# Altium PCB Driver.PcbDoc (part 1 of 2)
Units mm, origin at the board's own origin, x right, y up, seen from the top; angles counter-clockwise.
Board outline 245.25 x 200.25 mm, 2 copper layers (Top Layer, Bottom Layer), stack 1.371 mm thick; 666 components, 213 nets, 1628 pads, 0 vias.
Unrouted connection lines stored in the file: 1374.
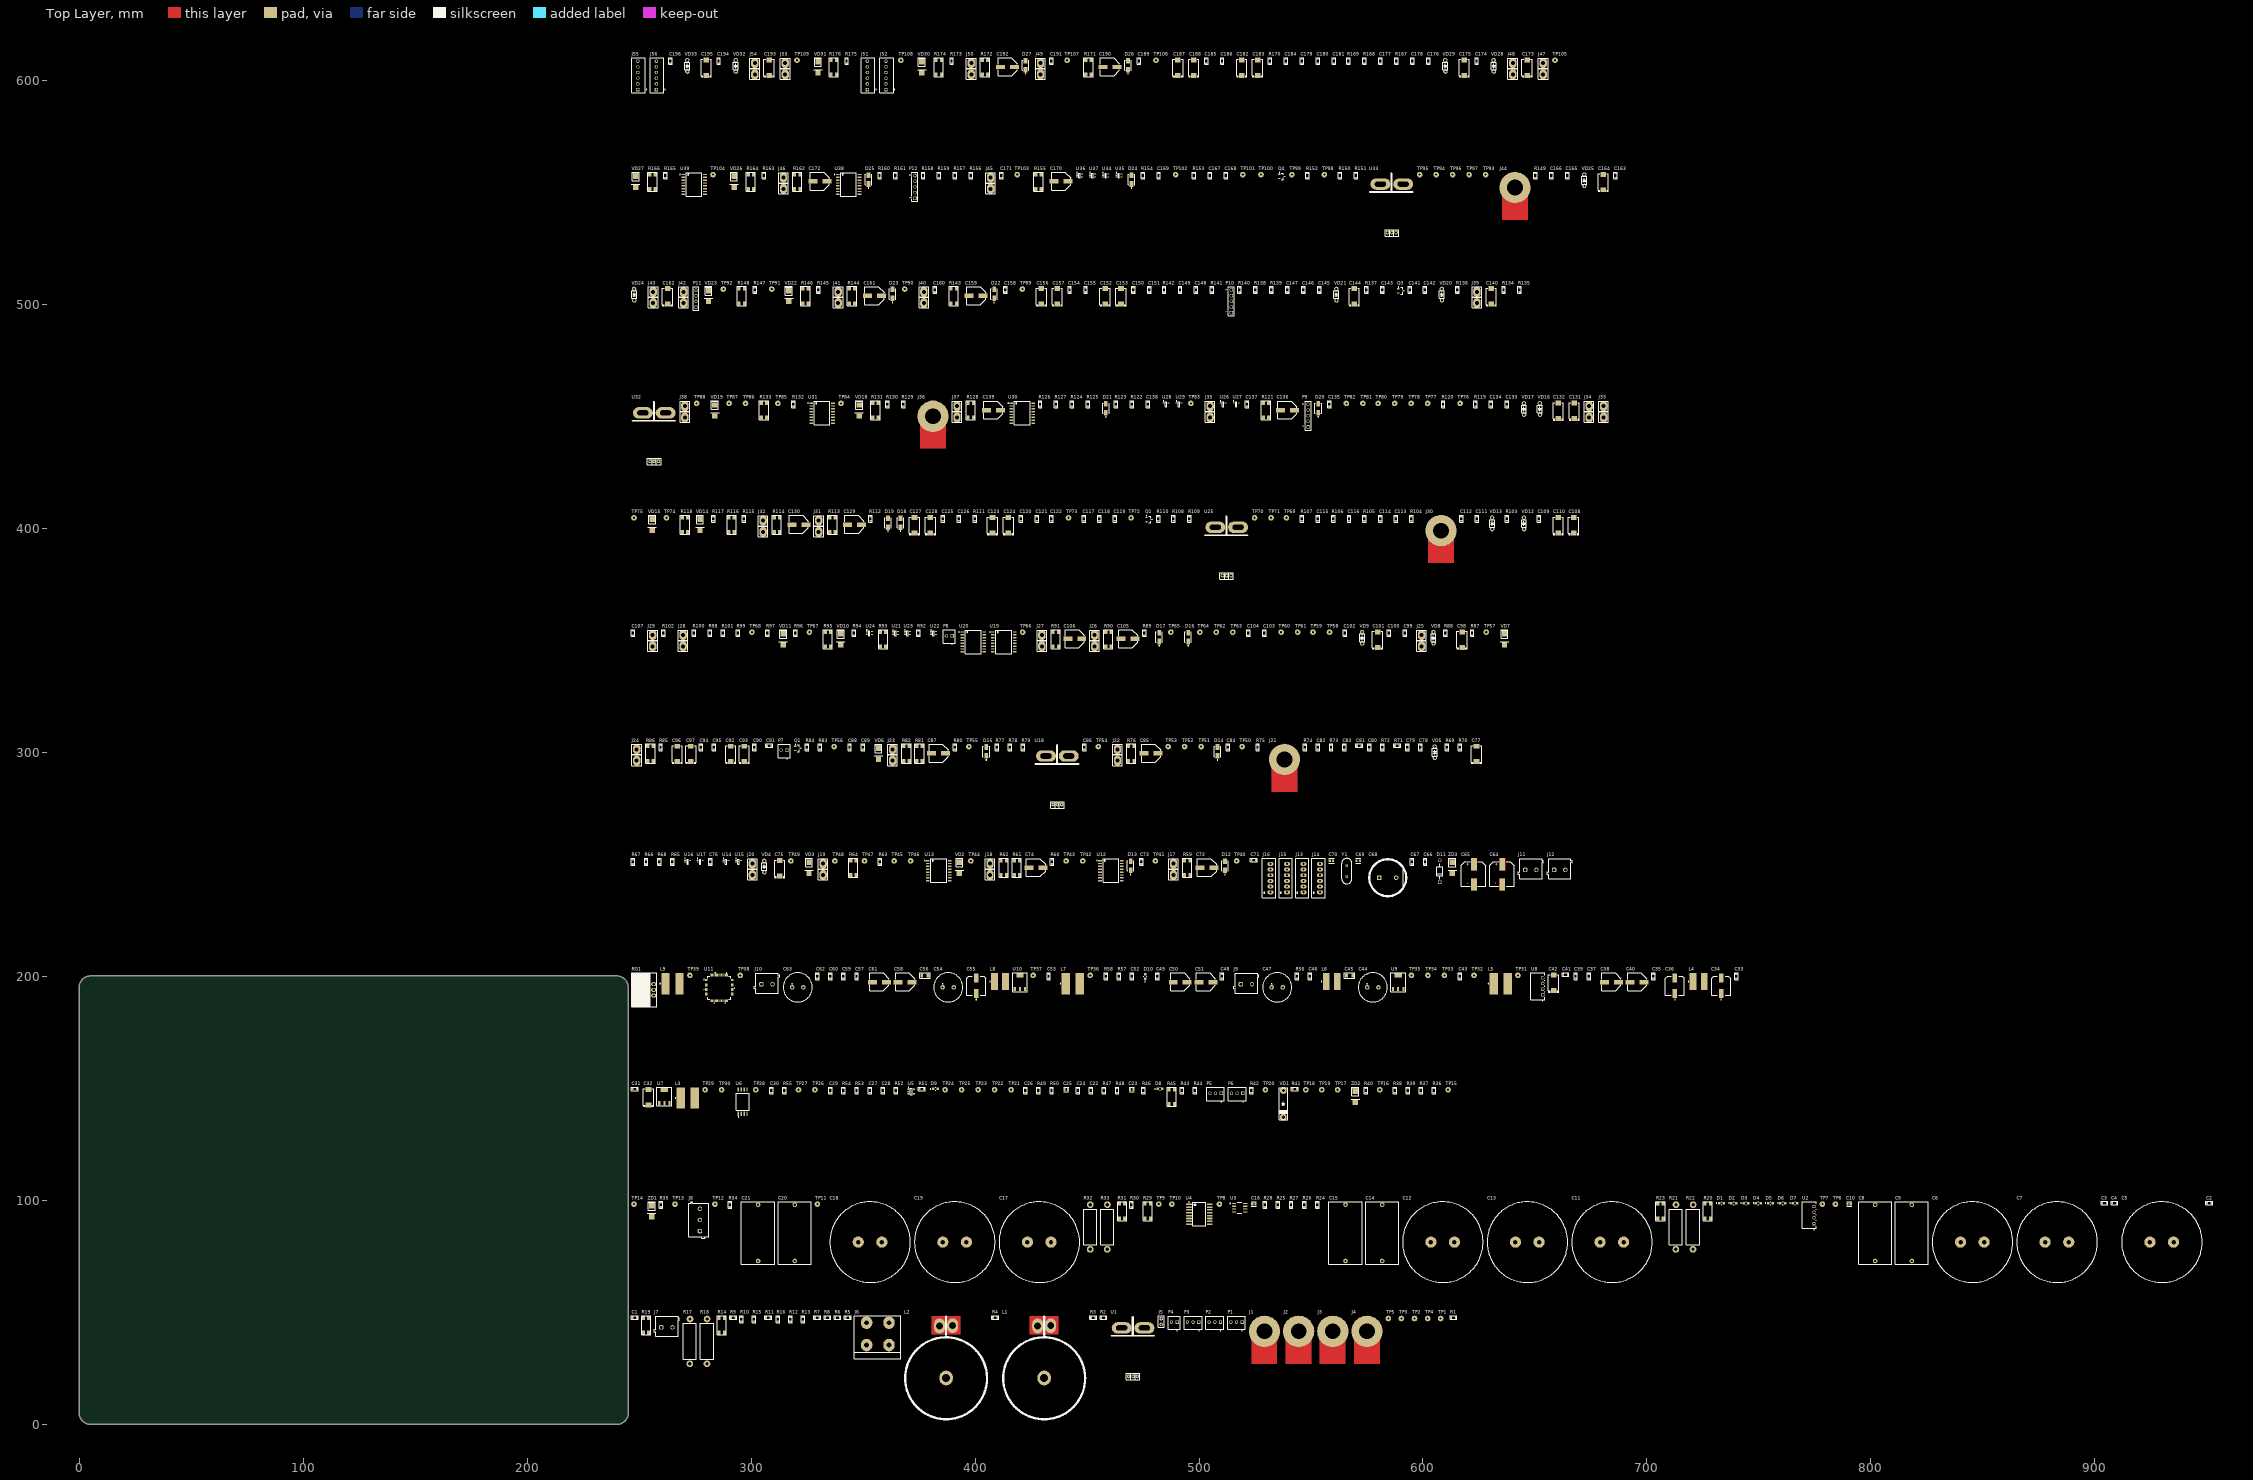
[diagram p0: Top Layer view]
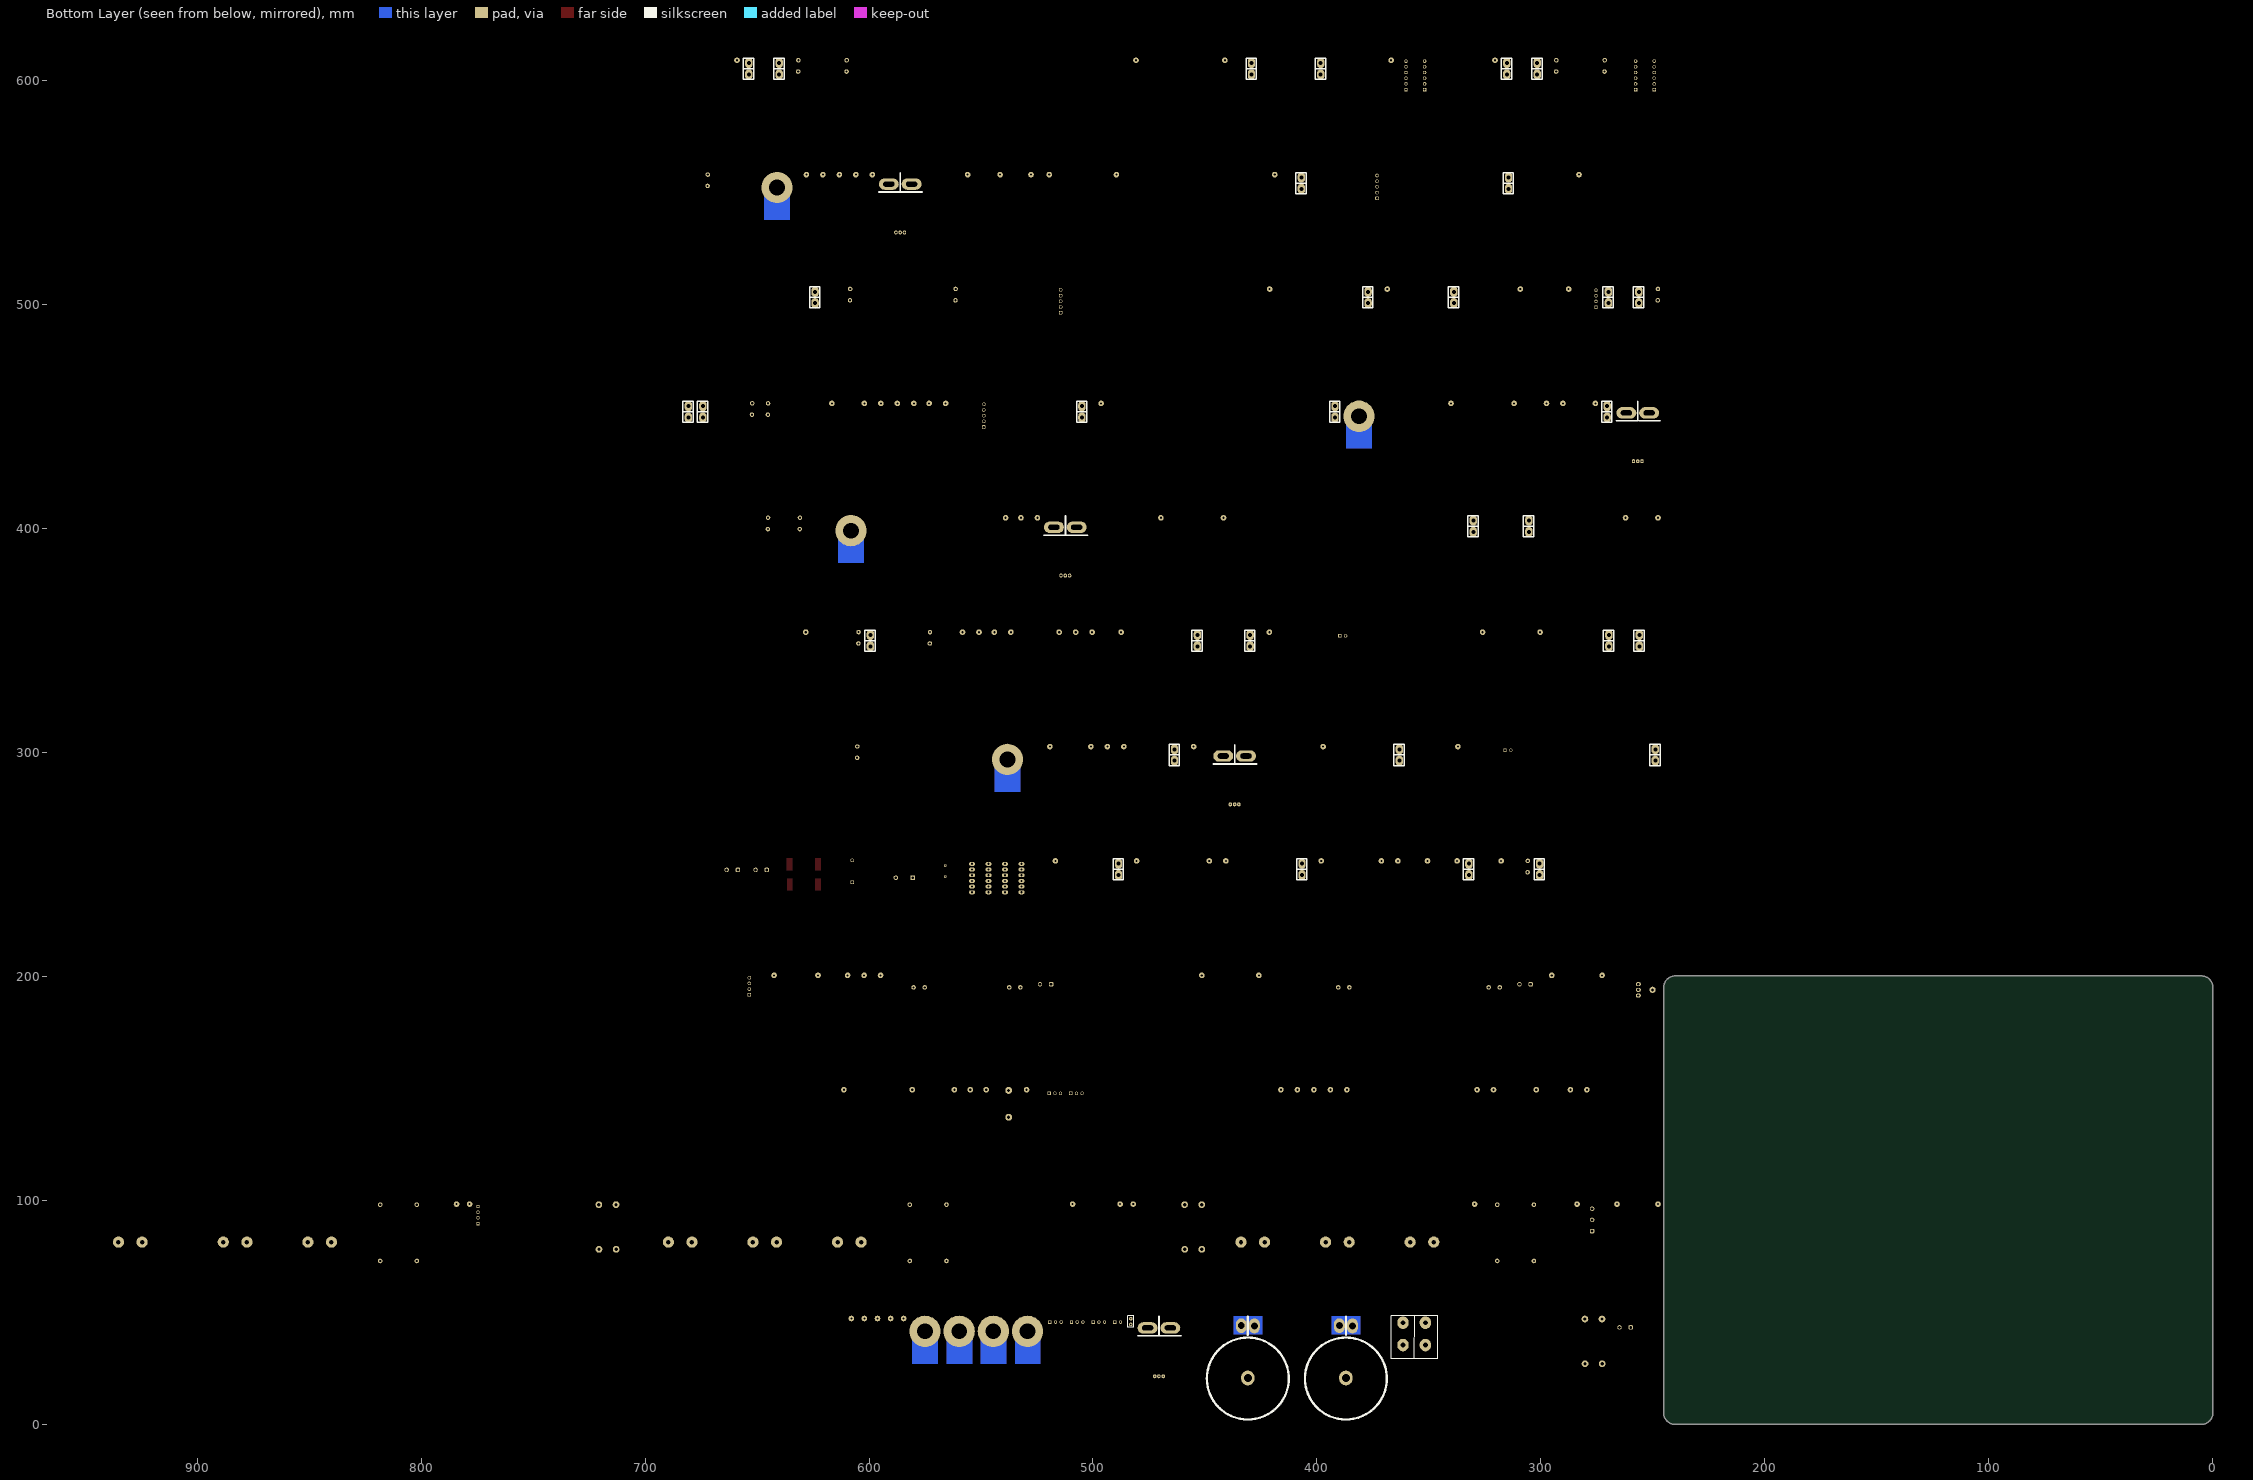
[diagram p1: Bottom Layer view, seen from below]

## Layer stack, top to bottom
Top Solder: solder mask 0.0102, Solder Resist, Dk 3.5
Top Layer: signal copper 0.0356
Dielectric 1: dielectric 1.3, FR-4, Dk 4.8
Bottom Layer: signal copper 0.0356
Bottom Solder: solder mask 0.0102, Solder Resist, Dk 3.5

## Board outline
-0.127,4.914 -0.127,4.968 cw(c5.003,5) -0.127,5 cw(c0,5) -0.127,5.005 -0.127,194.914 cw(c0,194.914) -0.12,194.957 cw(c0,195) -0.127,195 cw(c5,195) 5,200.127 cw(c5,200) 5.003,200.127 240.026,200.127 cw(c240.027,200) 240.027,200.127 cw(c240,195) 245.126,195.136 cw(c245,195.115) 245.127,195.115 245.127,5.115 cw(c245,5.115) 245.114,5.057 cw(c245,5) 245.127,5 cw(c240,5) 240,-0.127 cw(c240,0) 239.998,-0.127 5,-0.127 cw(c5,5) -0.126,4.899 cw(c0,4.914)

## Design rules (kind name [scope] priority, off if disabled: settings)
Clearance HV [InNetClass('All Nets') vs InNetClass('HV')] p1: gap=0.2 ignorepadtopadclearanceinfootprint=TRUE except(0: Text-Text Text-Hole; 0.4: THPad-THPad THPad-Via THPad-Fill THPad-Poly THPad-Region THPad-Text THPad-Hole Via-Via Via-Fill Via-Poly Via-Region Via-Text Via-Hole; 0.5: SMDPad-SMDPad SMDPad-THPad SMDPad-Via SMDPad-Fill SMDPad-Poly SMDPad-Region SMDPad-Text SMDPad-Hole Fill-Fill Fill-Poly Fill-Region Fill-Text Fill-Hole Poly-Poly Poly-Region Poly-Text Poly-Hole Region-Region Region-Text Region-Hole)
Clearance Clearance_1 [All] p2: gap=0.18 ignorepadtopadclearanceinfootprint=TRUE
Clearance GND [InNet('GND')] p3: gap=0.4 ignorepadtopadclearanceinfootprint=TRUE except(0.3: Text-Text Text-Hole)
ComponentClearance [All] p1: gap=-2.254 collisioncheckmode=3 verticalgap=0.254 showdistances=FALSE
DiffPairsRouting [All] p1: maxlimit=0.254 minlimit=0.1 mostfreqgap=0.254 toplayer_minwidth=0.3 toplayer_maxwidth=2 toplayer_prefwidth=0.3 bottomlayer_minwidth=0.3 bottomlayer_maxwidth=2 bottomlayer_prefwidth=0.3 maxuncoupledlength=12.7
Height [All] p1: minheight=0 maxheight=55.4 prefheight=12.7
HoleSize [All] p1: absolutevalues=TRUE maxlimit=5 minlimit=0.025 maxpercent=80.000 minpercent=20.000
HoleToHoleClearance [All] p1: gap=0 allowstackedmicrovias=TRUE
LayerPairs [All] p1 off: enforce=TRUE
MinimumSolderMaskSliver [All] p1: minsoldermaskwidth=0.01
PlaneClearance [All] p1: clearance=0.4
PlaneConnect [All] p1: planeconnectstyle=Direct reliefexpansion=0.508 reliefentries=4 reliefconductorwidth=0.254 reliefairgap=0.254
PolygonConnect [All] p1: connectstyle=Direct reliefconductorwidth=0.254 reliefentries=4 polygonreliefangle="90 Angle" airgapwidth=0.254
RoomDefinition Driver [InComponentClass('Driver')] p1: confinementstyle=ConfineIn formatcopy=TRUE lockcomponents=FALSE outline 246.269,1.291 952.868,1.291 952.868,612.97 246.269,612.97
RoutingCorners [All] p1: cornerstyle=45-Degree minsetback=0.2 maxsetback=0.2
RoutingVias [All] p1: holewidth=0.4 width=0.8 viastyle="Through Hole" minholewidth=0.254 minwidth=0.5 maxholewidth=0.75 maxwidth=1.5
ShortCircuit [All] p1: allowed=TRUE
SilkToSilkClearance [All] p1 off: silktosilkclearance=0.01
SilkToSolderMaskClearance [All] p1: minsilkscreentomaskgap=0 clearancetoexposedcopper=FALSE
SolderMaskExpansion [All] p1: expansion=0 istentingtop=FALSE
UnRoutedNet [All] p1: checkbadconnections=TRUE
Width [All] p1: maxlimit=10 minlimit=0.254 preferedwidth=2
16 further rules are at their usual default settings.

## Classes and differential pairs
net class HV: NetC5_1 NetJ5_1 NetJ6_2 NetJ7_1 NetR29_1 V_PS

## Components (designator, comment, footprint, x,y, rotation, side; value= is the part's Value field where it differs from the comment)
C1 "330pF" CAP-0805 248.029,47.571 r0 top
C2 "330pF" CAP-0805 951.108,98.651 r0 top
C3 "330pF" CAP-0805 904.308,98.651 r0 top
C4 "330pF" CAP-0805 908.818,98.651 r0 top
C5 "550V_470uF" 500V_470uF 929.968,81.251 r0 top
C6 "550V_470uF" 500V_470uF 845.388,81.251 r0 top
C7 "550V_470uF" 500V_470uF 883.158,81.251 r0 top
C8 "4,7uF_630V" CAP_4.7uF_630V 801.928,85.411 r90 top
C9 "4,7uF_630V" CAP_4.7uF_630V 818.308,85.411 r90 top
C10 "C0805C224K5RACTU" FP-C0805C-DN-MFG 790.298,98.321 r0 top value="0.22 μF"
C11 "550V_470uF" 500V_470uF 684.399,81.251 r0 top
C12 "550V_470uF" 500V_470uF 608.859,81.251 r0 top
C13 "550V_470uF" 500V_470uF 646.629,81.251 r0 top
C14 "4,7uF_630V" CAP_4.7uF_630V 581.779,85.411 r90 top
C15 "4,7uF_630V" CAP_4.7uF_630V 565.399,85.411 r90 top
C16 "C0805C224K5RACTU" FP-C0805C-DN-MFG 524.509,98.321 r0 top value="0.22 μF"
C17 "550V_470uF" 500V_470uF 428.669,81.251 r0 top
C18 "550V_470uF" 500V_470uF 353.129,81.251 r0 top
C19 "550V_470uF" 500V_470uF 390.899,81.251 r0 top
C20 "4,7uF_630V" CAP_4.7uF_630V 319.449,85.411 r90 top
C21 "4,7uF_630V" CAP_4.7uF_630V 303.069,85.411 r90 top
C22 "1uF" CAP-0805 451.749,148.961 r90 top
C23 "2.2uF" FP-C0805C-DN-MFG 469.949,149.401 r0 top value="0.22 μF"
C24 "1uF" CAP-0805 445.899,148.961 r90 top
C25 "2.2uF" FP-C0805C-DN-MFG 440.699,149.401 r0 top value="0.22 μF"
C26 "0.1uF" CAP-0805 422.499,148.961 r90 top
C27 "0.1uF" CAP-0805 352.999,148.961 r90 top
C28 "0.1uF" CAP-0805 358.849,148.961 r90 top
C29 "1000pF" CAP-0805 335.439,148.961 r90 top
C30 "0.1uF" CAP-0805 309.009,148.961 r90 top
C31 "0.1uF" CAP-0805 248.029,149.731 r0 top
C32 "47uF_16V" CAP-TAN-D 254.149,146.021 r90 top
C33 "0.1uF" CAP-0805 739.918,200.041 r90 top
C34 "1000uF_10V" CAP_SMD_Size_G 733.179,195.751 r90 top
C35 "CAP-NON-POLAR" CAP-0805 702.889,200.041 r90 top
C36 "1000uF_10V" CAP_SMD_Size_G 712.489,195.751 r90 top
C37 "0.1uF" CAP-0805 674.049,200.041 r90 top
C38 "1000uF_6.3V" CAP_SMD_Size_E 684.089,197.401 r0 top
C39 "0.1uF" CAP-0805 668.199,200.041 r90 top
C40 "1000uF_6.3V" CAP_SMD_Size_E 695.579,197.401 r0 top
C41 "0.1uF" CAP-0805 663.619,200.811 r0 top
C42 "CAP-POLAR" CAP-TAN-D 658.329,197.101 r90 top
C43 "0.1uF" CAP-0805 616.549,200.041 r90 top
C44 "" CAPPOL-12x25 577.599,195.021 r0 top
C45 "1000pF" CAP-1206 567.209,200.351 r0 top
C46 "220pF" CAP-0805 549.529,200.041 r90 top
C47 "" CAPPOL-12x25 534.899,195.021 r0 top
C48 "0.1uF" CAP-0805 510.329,200.041 r90 top
C49 "0.1uF" CAP-0805 481.489,200.041 r90 top
C50 "1000uF_6.3V" CAP_SMD_Size_E 491.529,197.401 r0 top
C51 "1000uF_6.3V" CAP_SMD_Size_E 503.019,197.401 r0 top
C52 "0.1uF" CAP-0805 470.059,200.041 r90 top
C53 "0.1uF" CAP-0805 432.889,200.041 r90 top
C54 "" CAPPOL-12x25 387.979,195.021 r0 top
C55 "1000uF_10V" CAP_SMD_Size_G 400.509,195.751 r90 top
C56 "1000pF" CAP-1206 377.579,200.351 r0 top
C57 "0.1uF" CAP-0805 347.129,200.041 r90 top
C58 "1000uF_6.3V" CAP_SMD_Size_E 368.659,197.401 r0 top
C59 "220pF" CAP-0805 341.279,200.041 r90 top
C60 "0.1uF" CAP-0805 335.429,200.041 r90 top
C61 "1000uF_6.3V" CAP_SMD_Size_E 357.169,197.401 r0 top
C62 "0.1uF" CAP-0805 329.579,200.041 r90 top
C63 "" CAPPOL-12x25 320.789,195.021 r0 top
C64 "1000uF_10V" 1000uF_10V_Size_F 635.469,245.46 r90 top
C65 "1000uF_10V" 1000uF_10V_Size_F 622.769,245.46 r90 top
C66 "0.1uF" CAP-0805 601.009,251.12 r90 top
C67 "0.1uF" CAP-0805 595.159,251.12 r90 top
C68 "2200uF 25V" CAPPOL-16x25 584.269,243.99 r0 top
C69 "16pF" FP-GRM21B-0_1-IPC_C 571.089,251.56 r0 top
C70 "16pF" FP-GRM21B-0_1-IPC_C 559.079,251.56 r0 top
C71 "CAP-NON-POLAR" CAP-0805 524.489,251.89 r0 top
C72 "100uF_50V" CAP_SMD_Size_E 503.469,248.48 r0 top
C73 "CAP-NON-POLAR" CAP-0805 474.249,251.12 r90 top
C74 "100uF_50V" CAP_SMD_Size_E 427.109,248.48 r0 top
C75 "CAP-POLAR" CAP-TAN-D 312.759,248.18 r90 top
C76 "CAP-NON-POLAR" CAP-0805 281.859,251.12 r90 top
C77 "CAP-POLAR" CAP-TAN-D 623.899,299.26 r90 top
C78 "CAP-NON-POLAR" CAP-0805 598.959,302.2 r90 top
C79 "CAP-NON-POLAR" CAP-0805 593.109,302.2 r90 top
C80 "CAP-NON-POLAR" CAP-0805 576.059,302.2 r90 top
C81 "CAP-NON-POLAR" CAP-0805 571.479,302.97 r0 top
C82 "CAP-NON-POLAR" CAP-0805 553.159,302.2 r90 top
C83 "CAP-NON-POLAR" CAP-0805 564.869,302.2 r90 top
C84 "CAP-NON-POLAR" CAP-0805 512.969,302.2 r90 top
C85 "100uF_50V" CAP_SMD_Size_E 478.499,299.56 r0 top
C86 "CAP-NON-POLAR" CAP-0805 448.769,302.2 r90 top
C87 "100uF_50V" CAP_SMD_Size_E 383.629,299.56 r0 top
C88 "CAP-NON-POLAR" CAP-0805 343.999,302.2 r90 top
C89 "CAP-NON-POLAR" CAP-0805 349.849,302.2 r90 top
C90 "CAP-NON-POLAR" CAP-0805 301.419,302.2 r90 top
C91 "CAP-NON-POLAR" CAP-0805 308.039,302.97 r0 top
C92 "CAP-POLAR" CAP-TAN-D 290.819,299.26 r90 top
C93 "CAP-POLAR" CAP-TAN-D 296.889,299.26 r90 top
C94 "CAP-NON-POLAR" CAP-0805 277.579,302.2 r90 top
C95 "CAP-NON-POLAR" CAP-0805 283.429,302.2 r90 top
C96 "CAP-POLAR" CAP-TAN-D 266.979,299.26 r90 top
C97 "CAP-POLAR" CAP-TAN-D 273.049,299.26 r90 top
C98 "CAP-POLAR" CAP-TAN-D 617.469,350.34 r90 top
C99 "330pF" CAP-0805 591.909,353.28 r90 top
C100 "CAP-NON-POLAR" CAP-0805 584.789,353.28 r90 top
C101 "CAP-POLAR" CAP-TAN-D 579.729,350.34 r90 top
C102 "CAP-NON-POLAR" CAP-0805 565.229,353.28 r90 top
C103 "CAP-NON-POLAR" CAP-0805 529.159,353.28 r90 top
C104 "CAP-NON-POLAR" CAP-0805 522.029,353.28 r90 top
C105 "100uF_50V" CAP_SMD_Size_E 468.249,350.64 r0 top
C106 "100uF_50V" CAP_SMD_Size_E 444.429,350.64 r0 top
C107 "330pF" CAP-0805 247.259,353.28 r90 top
C108 "CAP-POLAR" CAP-TAN-D 667.279,401.42 r90 top
C109 "CAP-NON-POLAR" CAP-0805 651.759,404.36 r90 top
C110 "CAP-POLAR" CAP-TAN-D 660.419,401.42 r90 top
C111 "CAP-NON-POLAR" CAP-0805 624.059,404.36 r90 top
C112 "CAP-NON-POLAR" CAP-0805 617.189,404.36 r90 top
C113 "CAP-NON-POLAR" CAP-0805 587.929,404.36 r90 top
C114 "CAP-NON-POLAR" CAP-0805 581.069,404.36 r90 top
C115 "CAP-NON-POLAR" CAP-0805 553.089,404.36 r90 top
C116 "CAP-NON-POLAR" CAP-0805 567.079,404.36 r90 top
C117 "CAP-NON-POLAR" CAP-0805 448.659,404.36 r90 top
C118 "CAP-NON-POLAR" CAP-0805 455.529,404.36 r90 top
C119 "CAP-NON-POLAR" CAP-0805 462.389,404.36 r90 top
C120 "CAP-NON-POLAR" CAP-0805 420.439,404.36 r90 top
C121 "CAP-NON-POLAR" CAP-0805 427.559,404.36 r90 top
C122 "CAP-NON-POLAR" CAP-0805 434.169,404.36 r90 top
C123 "CAP-POLAR" CAP-TAN-D 407.759,401.42 r90 top
C124 "CAP-POLAR" CAP-TAN-D 414.869,401.42 r90 top
C125 "CAP-NON-POLAR" CAP-0805 385.619,404.36 r90 top
C126 "CAP-NON-POLAR" CAP-0805 392.739,404.36 r90 top
C127 "CAP-POLAR" CAP-TAN-D 372.929,401.42 r90 top
C128 "CAP-POLAR" CAP-TAN-D 380.039,401.42 r90 top
C129 "100uF_50V" CAP_SMD_Size_E 346.049,401.72 r0 top
C130 "100uF_50V" CAP_SMD_Size_E 321.219,401.72 r0 top
C131 "CAP-POLAR" CAP-TAN-D 667.519,452.5 r90 top
C132 "CAP-POLAR" CAP-TAN-D 660.409,452.5 r90 top
C133 "CAP-NON-POLAR" CAP-0805 637.529,455.44 r90 top
C134 "CAP-NON-POLAR" CAP-0805 630.409,455.44 r90 top
C135 "CAP-NON-POLAR" CAP-0805 558.249,455.44 r90 top
C136 "100uF_50V" CAP_SMD_Size_E 539.399,452.8 r0 top
C137 "CAP-NON-POLAR" CAP-0805 521.489,455.44 r90 top
C138 "CAP-NON-POLAR" CAP-0805 477.119,455.44 r90 top
C139 "100uF_50V" CAP_SMD_Size_E 408.089,452.8 r0 top
C140 "CAP-POLAR" CAP-TAN-D 630.499,503.58 r90 top
C141 "CAP-NON-POLAR" CAP-0805 594.259,506.52 r90 top
C142 "CAP-NON-POLAR" CAP-0805 600.869,506.52 r90 top
C143 "CAP-NON-POLAR" CAP-0805 581.969,506.52 r90 top
C144 "CAP-POLAR" CAP-TAN-D 569.269,503.58 r90 top
C145 "CAP-NON-POLAR" CAP-0805 553.759,506.52 r90 top
C146 "CAP-NON-POLAR" CAP-0805 546.639,506.52 r90 top
C147 "CAP-NON-POLAR" CAP-0805 539.519,506.52 r90 top
C148 "CAP-NON-POLAR" CAP-0805 498.709,506.52 r90 top
C149 "2.2nF" CAP-0805 491.589,506.52 r90 top
C150 "CAP-NON-POLAR" CAP-0805 470.729,506.52 r90 top
C151 "CAP-NON-POLAR" CAP-0805 477.849,506.52 r90 top
C152 "CAP-POLAR" CAP-TAN-D 458.049,503.58 r90 top
C153 "CAP-POLAR" CAP-TAN-D 465.159,503.58 r90 top
C154 "CAP-NON-POLAR" CAP-0805 442.269,506.52 r90 top
C155 "CAP-NON-POLAR" CAP-0805 449.389,506.52 r90 top
C156 "CAP-POLAR" CAP-TAN-D 429.589,503.58 r90 top
C157 "CAP-POLAR" CAP-TAN-D 436.699,503.58 r90 top
C158 "CAP-NON-POLAR" CAP-0805 413.559,506.52 r90 top
C159 "100uF_50V" CAP_SMD_Size_E 400.409,503.88 r0 top
C160 "CAP-NON-POLAR" CAP-0805 381.989,506.52 r90 top
C161 "100uF_50V" CAP_SMD_Size_E 354.999,503.88 r0 top
C162 "CAP-POLAR" CAP-TAN-D 262.639,503.58 r90 top
C163 "CAP-NON-POLAR" CAP-0805 686.049,557.6 r90 top
C164 "CAP-POLAR" CAP-TAN-D 680.479,554.66 r90 top
C165 "CAP-NON-POLAR" CAP-0805 664.449,557.6 r90 top
C166 "CAP-NON-POLAR" CAP-0805 657.329,557.6 r90 top
C167 "CAP-NON-POLAR" CAP-0805 504.889,557.6 r90 top
C168 "CAP-NON-POLAR" CAP-0805 512.009,557.6 r90 top
C169 "CAP-NON-POLAR" CAP-0805 482.009,557.6 r90 top
C170 "100uF_50V" CAP_SMD_Size_E 438.339,554.96 r0 top
C171 "CAP-NON-POLAR" CAP-0805 411.789,557.6 r90 top
C172 "100uF_50V" CAP_SMD_Size_E 330.569,554.96 r0 top
C173 "CAP-POLAR" CAP-TAN-D 646.509,605.74 r90 top
C174 "CAP-NON-POLAR" CAP-0805 624.009,608.68 r90 top
C175 "CAP-POLAR" CAP-TAN-D 618.429,605.74 r90 top
C176 "CAP-NON-POLAR" CAP-0805 602.409,608.68 r90 top
C177 "CAP-NON-POLAR" CAP-0805 581.049,608.68 r90 top
C178 "CAP-NON-POLAR" CAP-0805 595.289,608.68 r90 top
C179 "CAP-NON-POLAR" CAP-0805 545.949,608.68 r90 top
C180 "CAP-NON-POLAR" CAP-0805 553.069,608.68 r90 top
C181 "CAP-NON-POLAR" CAP-0805 560.189,608.68 r90 top
C182 "CAP-POLAR" CAP-TAN-D 519.019,605.74 r90 top
C183 "CAP-POLAR" CAP-TAN-D 526.129,605.74 r90 top
C184 "CAP-NON-POLAR" CAP-0805 538.819,608.68 r90 top
C185 "CAP-NON-POLAR" CAP-0805 503.239,608.68 r90 top
C186 "CAP-NON-POLAR" CAP-0805 510.359,608.68 r90 top
C187 "CAP-POLAR" CAP-TAN-D 490.559,605.74 r90 top
C188 "CAP-POLAR" CAP-TAN-D 497.669,605.74 r90 top
C189 "CAP-NON-POLAR" CAP-0805 473.259,608.68 r90 top
C190 "100uF_50V" CAP_SMD_Size_E 460.119,606.04 r0 top
C191 "CAP-NON-POLAR" CAP-0805 434.079,608.68 r90 top
C192 "100uF_50V" CAP_SMD_Size_E 414.449,606.04 r0 top
C193 "CAP-POLAR" CAP-TAN-D 307.999,605.74 r90 top
C194 "CAP-NON-POLAR" CAP-0805 285.499,608.68 r90 top
C195 "CAP-POLAR" CAP-TAN-D 279.929,605.74 r90 top
C196 "CAP-NON-POLAR" CAP-0805 263.899,608.68 r90 top
D1 "151031YS06000" LED_RED 733.289,98.621 r0 top
D2 "151031YS06000" LED_GREEN 738.768,98.621 r0 top
D3 "151031YS06000" LED_YELLOW 744.238,98.621 r0 top
D4 "151031YS06000" LED_BLUE 749.708,98.621 r0 top
D5 "151031YS06000" LED_GREEN 755.178,98.621 r0 top
D6 "151031YS06000" LED_RED 760.648,98.621 r0 top
D7 "151031YS06000" LED_RED 766.118,98.621 r0 top
D8 "LED" LED_BLUE 482.529,149.701 r0 top
D9 "151031YS06000" LED_RED 382.259,149.701 r0 top
D10 "151031YS06000" LED_GREEN 475.919,199.871 r90 top
D11 "BZX85C15-TAP" FP-6_561-5001_02-4-MFG 607.509,246.86 r90 top
D12 "US1G" US1G_SMA 511.579,249.3 r90 top
D13 "US1G" US1G_SMA 469.469,249.3 r90 top
D14 "US1G" US1G_SMA 508.189,300.38 r90 top
D15 "US1G" US1G_SMA 404.959,300.38 r90 top
D16 "US1G" US1G_SMA 495.159,351.46 r90 top
D17 "US1G" US1G_SMA 482.209,351.46 r90 top
D18 "US1G" US1G_SMA 366.609,402.54 r90 top
D19 "US1G" US1G_SMA 361.019,402.54 r90 top
D20 "US1G" US1G_SMA 553.219,453.62 r90 top
D21 "US1G" US1G_SMA 458.349,453.62 r90 top
D22 "US1G" US1G_SMA 408.519,504.7 r90 top
D23 "US1G" US1G_SMA 363.109,504.7 r90 top
D24 "US1G" US1G_SMA 469.849,555.78 r90 top
D25 "US1G" US1G_SMA 352.349,555.78 r90 top
D26 "US1G" US1G_SMA 468.229,606.86 r90 top
D27 "US1G" US1G_SMA 422.559,606.86 r90 top
J1 "100A" Klema_100A 529.189,41.421 r90 top
J2 "100A" Klema_100A 544.459,41.421 r90 top
J3 "100A" Klema_100A 559.729,41.421 r90 top
J4 "100A" Klema_100A 574.999,41.421 r90 top
J5 "Jumper 1x2.54" Jumper_2.54 483.099,45.761 r90 top
J6 "" Conn_Tianli_T-800 356.539,40.281 r0 top
J7 "691101710002" 691101710002 262.339,43.681 r0 top
J8 "" 691101710003 276.559,91.181 r90 top
J9 "691101710002" 691101710002 521.149,196.921 r0 top
J10 "691101710002" 691101710002 307.049,196.921 r0 top
J11 "691101710002" 691101710002 648.159,248 r0 top
J12 "691101710002" 691101710002 661.079,248 r0 top
J13 "B6B-XH-TW" B6B-XH-TW 545.989,243.83 r90 top
J14 "B6B-XH-TW" B6B-XH-TW 553.349,243.83 r90 top
J15 "B6B-XH-TW" B6B-XH-TW 538.619,243.83 r90 top
J16 "B6B-XH-TW" B6B-XH-TW 531.249,243.83 r90 top
J17 "G(4)" Klema_PCB_15A 488.569,247.72 r90 top
J18 "G" Klema_PCB_15A 406.639,247.72 r90 top
J19 "E(5)" Klema_PCB_15A 332.129,247.72 r90 top
J20 "E" Klema_PCB_15A 300.519,247.72 r90 top
J21 "100A" Klema_100A 538.179,296.82 r90 top
J22 "G(6)" Klema_PCB_15A 463.599,298.8 r90 top
J23 "G" Klema_PCB_15A 363.169,298.8 r90 top
J24 "E(7)" Klema_PCB_15A 248.879,298.8 r90 top
J25 "E" Klema_PCB_15A 599.379,349.88 r90 top
J26 "G" Klema_PCB_15A 453.349,349.88 r90 top
J27 "G" Klema_PCB_15A 429.809,349.88 r90 top
J28 "E" Klema_PCB_15A 269.599,349.88 r90 top
J29 "E" Klema_PCB_15A 255.999,349.88 r90 top
J30 "100A" Klema_100A 608.059,398.98 r90 top
J31 "G" Klema_PCB_15A 330.139,400.96 r90 top
J32 "G" Klema_PCB_15A 305.309,400.96 r90 top
J33 "E" Klema_PCB_15A 680.669,452.04 r90 top
J34 "E" Klema_PCB_15A 674.199,452.04 r90 top
J35 "G" Klema_PCB_15A 504.919,452.04 r90 top
J36 "100A" Klema_100A 381.179,450.06 r90 top
J37 "G" Klema_PCB_15A 391.919,452.04 r90 top
J38 "E" Klema_PCB_15A 270.359,452.04 r90 top
J39 "E" Klema_PCB_15A 624.089,503.12 r90 top
J40 "G" Klema_PCB_15A 377.129,503.12 r90 top
J41 "G" Klema_PCB_15A 338.839,503.12 r90 top
J42 "E" Klema_PCB_15A 269.829,503.12 r90 top
J43 "E" Klema_PCB_15A 256.239,503.12 r90 top
J44 "100A" Klema_100A 641.079,552.22 r90 top
J45 "G" Klema_PCB_15A 406.929,554.2 r90 top
J46 "G" Klema_PCB_15A 314.409,554.2 r90 top
J47 "E" Klema_PCB_15A 653.689,605.28 r90 top
J48 "E" Klema_PCB_15A 640.109,605.28 r90 top